# KiCad board SparkFun_RTK_Facet_mosaic_panelized.kicad_pcb (continued)
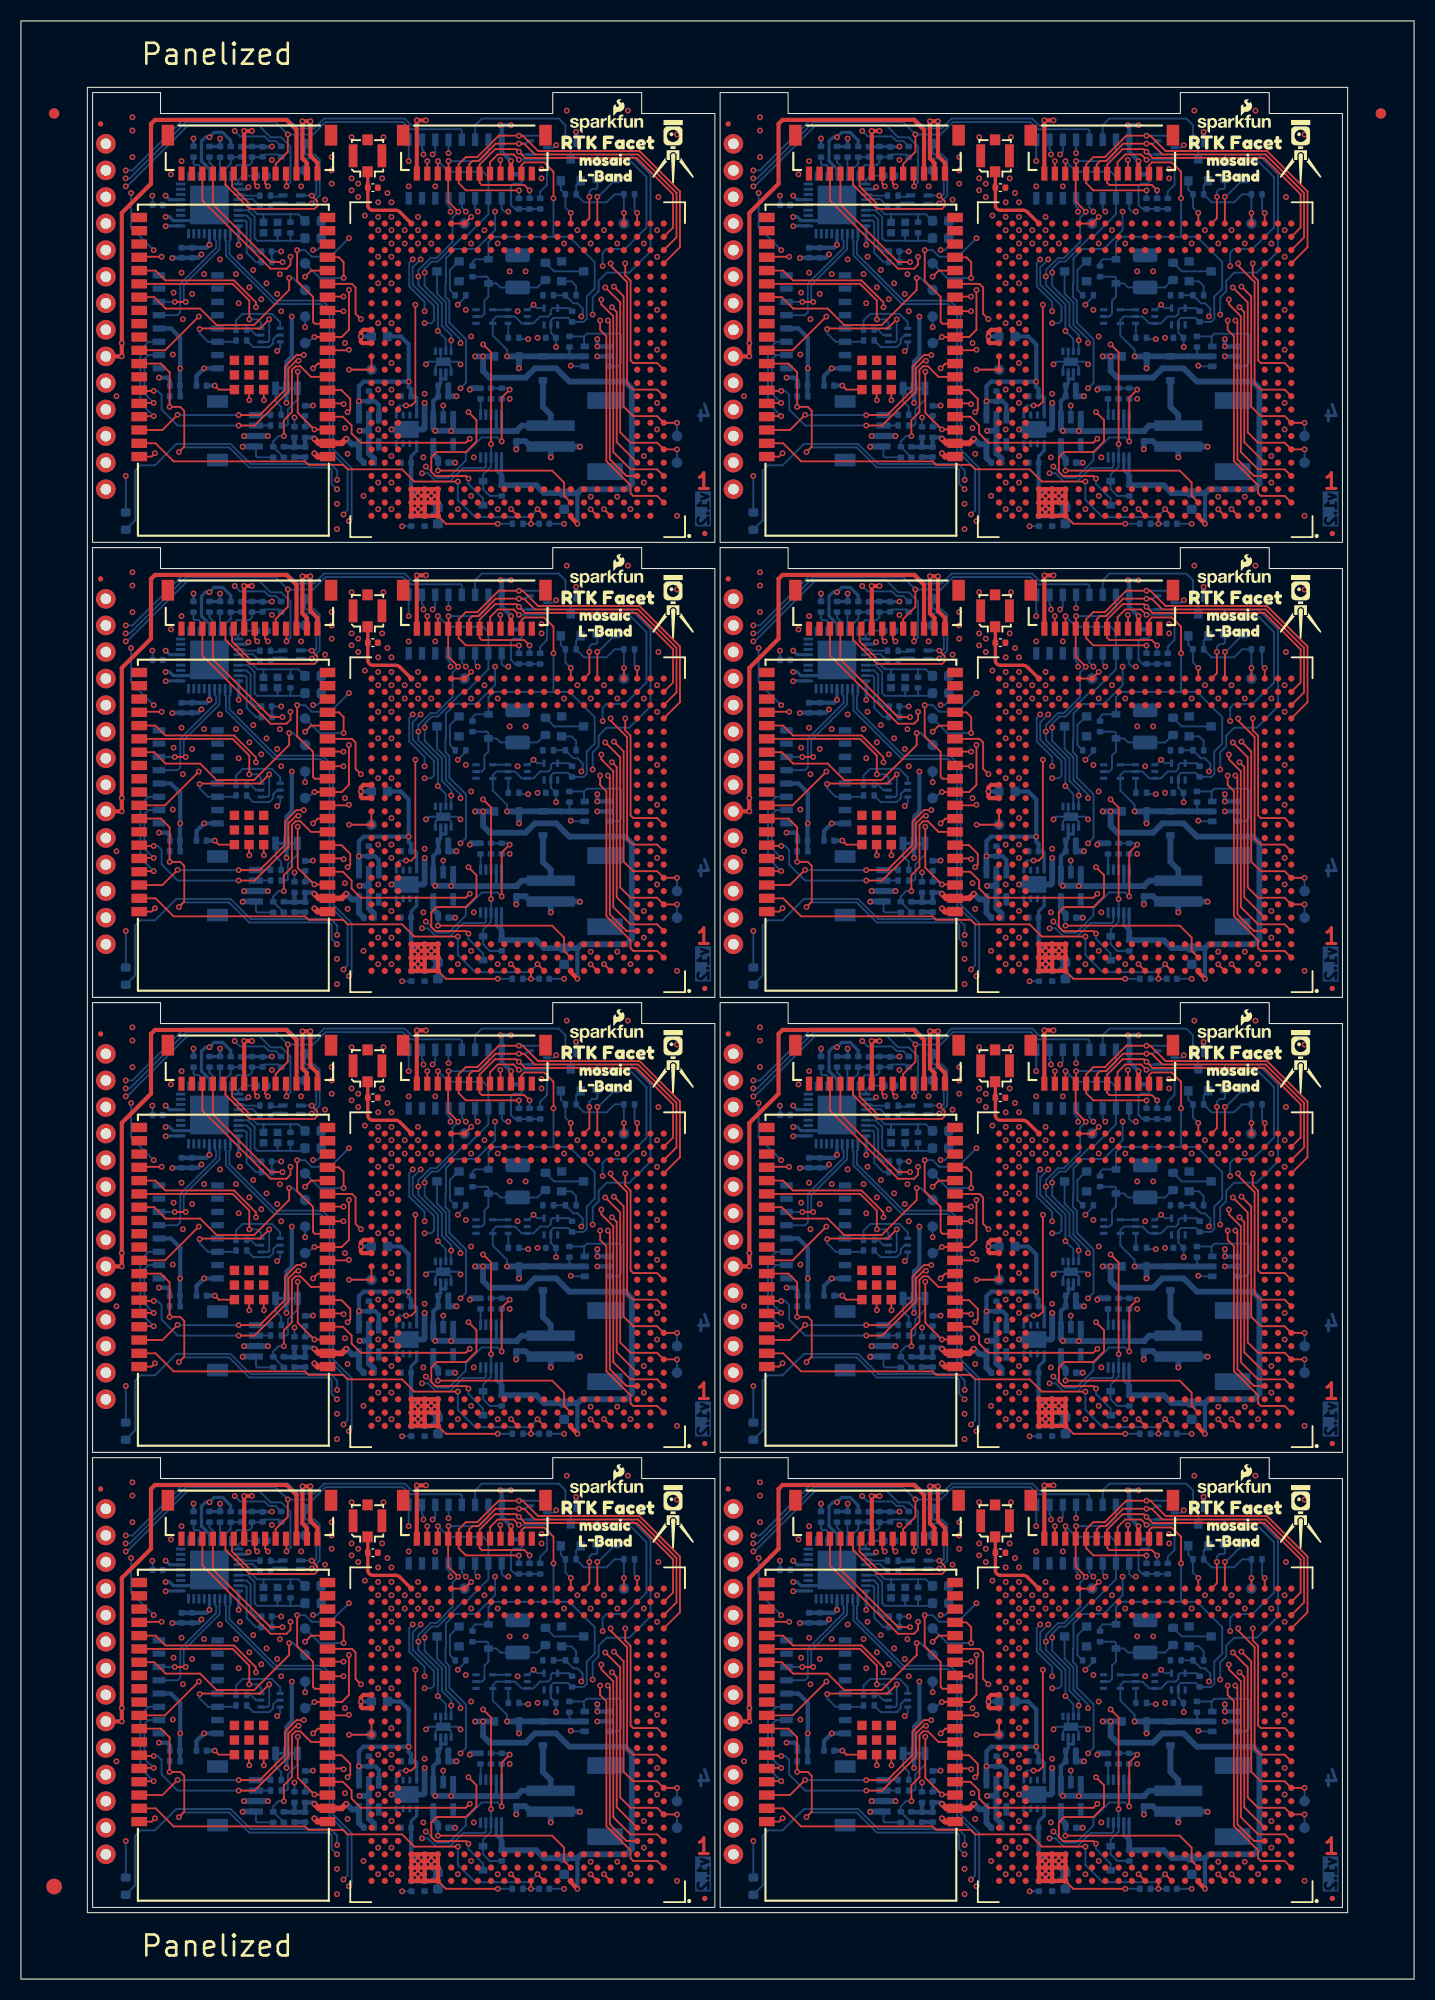
[diagram p0: board, top side]
## Placement (name value [footprint] x y rotation side) (continued)
R9#5  1k  [R_0402_1005Metric]  47.11 156.91 180 bottom
R9#6  1k  [R_0402_1005Metric]  47.11 26.41 180 bottom
R9#7  1k  [R_0402_1005Metric]  107.11 26.41 180 bottom
R9#8  1k  [R_0402_1005Metric]  47.11 69.91 180 bottom
R10  100k  [R_0402_1005Metric]  74.72 151.32 180 bottom
R10#2  100k  [R_0402_1005Metric]  74.72 20.82 180 bottom
R10#3  100k  [R_0402_1005Metric]  14.72 64.32 180 bottom
R10#4  100k  [R_0402_1005Metric]  74.72 64.32 180 bottom
R10#5  100k  [R_0402_1005Metric]  14.72 20.82 180 bottom
R10#6  100k  [R_0402_1005Metric]  14.72 107.82 180 bottom
R10#7  100k  [R_0402_1005Metric]  74.72 107.82 180 bottom
R10#8  100k  [R_0402_1005Metric]  14.72 151.32 180 bottom
R11  10k  [R_0402_1005Metric]  47.49 139.13 0 bottom
R11#2  10k  [R_0402_1005Metric]  107.49 95.63 0 bottom
R11#3  10k  [R_0402_1005Metric]  107.49 52.13 0 bottom
R11#4  10k  [R_0402_1005Metric]  47.49 8.63 0 bottom
R11#5  10k  [R_0402_1005Metric]  47.49 52.13 0 bottom
R11#6  10k  [R_0402_1005Metric]  47.49 95.63 0 bottom
R11#7  10k  [R_0402_1005Metric]  107.49 139.13 0 bottom
R11#8  10k  [R_0402_1005Metric]  107.49 8.63 0 bottom
R12  2.2k  [R_0402_1005Metric]  112.57 127.12 180 bottom
R12#2  2.2k  [R_0402_1005Metric]  52.57 40.12 180 bottom
R12#3  2.2k  [R_0402_1005Metric]  112.57 170.62 180 bottom
R12#4  2.2k  [R_0402_1005Metric]  52.57 170.62 180 bottom
R12#5  2.2k  [R_0402_1005Metric]  112.57 40.12 180 bottom
R12#6  2.2k  [R_0402_1005Metric]  52.57 83.62 180 bottom
R12#7  2.2k  [R_0402_1005Metric]  112.57 83.62 180 bottom
R12#8  2.2k  [R_0402_1005Metric]  52.57 127.12 180 bottom
R13  2.2k  [R_0402_1005Metric]  112.57 131.95 180 bottom
R13#2  2.2k  [R_0402_1005Metric]  52.57 44.95 180 bottom
R13#3  2.2k  [R_0402_1005Metric]  112.57 175.45 180 bottom
R13#4  2.2k  [R_0402_1005Metric]  52.57 175.45 180 bottom
R13#5  2.2k  [R_0402_1005Metric]  52.57 131.95 180 bottom
R13#6  2.2k  [R_0402_1005Metric]  52.57 88.45 180 bottom
R13#7  2.2k  [R_0402_1005Metric]  112.57 88.45 180 bottom
R13#8  2.2k  [R_0402_1005Metric]  112.57 44.95 180 bottom
R14  100k  [R_0402_1005Metric]  16.5 44.19 90 bottom
R14#2  100k  [R_0402_1005Metric]  16.5 174.69 90 bottom
R14#3  100k  [R_0402_1005Metric]  76.5 131.19 90 bottom
R14#4  100k  [R_0402_1005Metric]  16.5 87.69 90 bottom
R14#5  100k  [R_0402_1005Metric]  76.5 174.69 90 bottom
R14#6  100k  [R_0402_1005Metric]  76.5 87.69 90 bottom
R14#7  100k  [R_0402_1005Metric]  16.5 131.19 90 bottom
R14#8  100k  [R_0402_1005Metric]  76.5 44.19 90 bottom
R15  100k  [R_0402_1005Metric]  78.03 174.69 90 bottom
R15#2  100k  [R_0402_1005Metric]  18.03 131.19 90 bottom
R15#3  100k  [R_0402_1005Metric]  18.03 44.19 90 bottom
R15#4  100k  [R_0402_1005Metric]  78.03 131.19 90 bottom
R15#5  100k  [R_0402_1005Metric]  78.03 44.19 90 bottom
R15#6  100k  [R_0402_1005Metric]  18.03 87.69 90 bottom
R15#7  100k  [R_0402_1005Metric]  18.03 174.69 90 bottom
R15#8  100k  [R_0402_1005Metric]  78.03 87.69 90 bottom
R16  169k  [R_0603_1608Metric]  116.89 129.41 270 bottom
R16#2  169k  [R_0603_1608Metric]  116.89 172.91 270 bottom
R16#3  169k  [R_0603_1608Metric]  56.89 85.91 270 bottom
R16#4  169k  [R_0603_1608Metric]  56.89 129.41 270 bottom
R16#5  169k  [R_0603_1608Metric]  56.89 42.41 270 bottom
R16#6  169k  [R_0603_1608Metric]  116.89 85.91 270 bottom
R16#7  169k  [R_0603_1608Metric]  116.89 42.41 270 bottom
R16#8  169k  [R_0603_1608Metric]  56.89 172.91 270 bottom
R17  12k  [R_0402_1005Metric]  23.49 164.15 180 bottom
R17#2  12k  [R_0402_1005Metric]  83.49 77.15 180 bottom
R17#3  12k  [R_0402_1005Metric]  23.49 120.65 180 bottom
R17#4  12k  [R_0402_1005Metric]  23.49 33.65 180 bottom
R17#5  12k  [R_0402_1005Metric]  83.49 33.65 180 bottom
R17#6  12k  [R_0402_1005Metric]  83.49 120.65 180 bottom
R17#7  12k  [R_0402_1005Metric]  83.49 164.15 180 bottom
R17#8  12k  [R_0402_1005Metric]  23.49 77.15 180 bottom
R18  100k  [R_0402_1005Metric]  52.44 113.03 270 bottom
R18#2  100k  [R_0402_1005Metric]  52.44 156.53 270 bottom
R18#3  100k  [R_0402_1005Metric]  52.44 69.53 270 bottom
R18#4  100k  [R_0402_1005Metric]  112.44 26.03 270 bottom
R18#5  100k  [R_0402_1005Metric]  112.44 113.03 270 bottom
R18#6  100k  [R_0402_1005Metric]  112.44 156.53 270 bottom
R18#7  100k  [R_0402_1005Metric]  52.44 26.03 270 bottom
R18#8  100k  [R_0402_1005Metric]  112.44 69.53 270 bottom
R19  100k  [R_0402_1005Metric]  24.88 174.69 270 bottom
R19#2  100k  [R_0402_1005Metric]  84.88 87.69 270 bottom
R19#3  100k  [R_0402_1005Metric]  24.88 44.19 270 bottom
R19#4  100k  [R_0402_1005Metric]  84.88 174.69 270 bottom
R19#5  100k  [R_0402_1005Metric]  24.88 131.19 270 bottom
R19#6  100k  [R_0402_1005Metric]  84.88 131.19 270 bottom
R19#7  100k  [R_0402_1005Metric]  24.88 87.69 270 bottom
R19#8  100k  [R_0402_1005Metric]  84.88 44.19 270 bottom
R20  100k  [R_0402_1005Metric]  82.09 87.69 90 bottom
R20#2  100k  [R_0402_1005Metric]  82.09 131.19 90 bottom
R20#3  100k  [R_0402_1005Metric]  22.09 131.19 90 bottom
R20#4  100k  [R_0402_1005Metric]  82.09 44.19 90 bottom
R20#5  100k  [R_0402_1005Metric]  22.09 174.69 90 bottom
R20#6  100k  [R_0402_1005Metric]  82.09 174.69 90 bottom
R20#7  100k  [R_0402_1005Metric]  22.09 87.69 90 bottom
R20#8  100k  [R_0402_1005Metric]  22.09 44.19 90 bottom
R21  100k  [R_0402_1005Metric]  80.06 131.19 270 bottom
R21#2  100k  [R_0402_1005Metric]  80.06 44.19 270 bottom
R21#3  100k  [R_0402_1005Metric]  80.06 87.69 270 bottom
R21#4  100k  [R_0402_1005Metric]  80.06 174.69 270 bottom
R21#5  100k  [R_0402_1005Metric]  20.06 174.69 270 bottom
R21#6  100k  [R_0402_1005Metric]  20.06 87.69 270 bottom
R21#7  100k  [R_0402_1005Metric]  20.06 44.19 270 bottom
R21#8  100k  [R_0402_1005Metric]  20.06 131.19 270 bottom
R22  1k  [R_0402_1005Metric]  52.7 28.44 270 bottom
R22#2  1k  [R_0402_1005Metric]  52.7 158.94 270 bottom
R22#3  1k  [R_0402_1005Metric]  52.7 115.44 270 bottom
R22#4  1k  [R_0402_1005Metric]  112.7 158.94 270 bottom
R22#5  1k  [R_0402_1005Metric]  112.7 28.44 270 bottom
R22#6  1k  [R_0402_1005Metric]  52.7 71.94 270 bottom
R22#7  1k  [R_0402_1005Metric]  112.7 71.94 270 bottom
R22#8  1k  [R_0402_1005Metric]  112.7 115.44 270 bottom
R23  100k  [R_0402_1005Metric]  23.11 128.9 0 bottom
R23#2  100k  [R_0402_1005Metric]  83.11 128.9 0 bottom
R23#3  100k  [R_0402_1005Metric]  23.11 41.9 0 bottom
R23#4  100k  [R_0402_1005Metric]  23.11 85.4 0 bottom
R23#5  100k  [R_0402_1005Metric]  83.11 41.9 0 bottom
R23#6  100k  [R_0402_1005Metric]  83.11 172.4 0 bottom
R23#7  100k  [R_0402_1005Metric]  83.11 85.4 0 bottom
R23#8  100k  [R_0402_1005Metric]  23.11 172.4 0 bottom
R24  100k  [R_0402_1005Metric]  79.04 174.69 90 bottom
R24#2  100k  [R_0402_1005Metric]  19.04 174.69 90 bottom
R24#3  100k  [R_0402_1005Metric]  79.04 87.69 90 bottom
R24#4  100k  [R_0402_1005Metric]  19.04 131.19 90 bottom
R24#5  100k  [R_0402_1005Metric]  19.04 44.19 90 bottom
R24#6  100k  [R_0402_1005Metric]  79.04 131.19 90 bottom
R24#7  100k  [R_0402_1005Metric]  79.04 44.19 90 bottom
R24#8  100k  [R_0402_1005Metric]  19.04 87.69 90 bottom
R25  1M  [R_0402_1005Metric]  25.77 167.45 270 bottom
R25#2  1M  [R_0402_1005Metric]  25.77 80.45 270 bottom
R25#3  1M  [R_0402_1005Metric]  85.77 80.45 270 bottom
R25#4  1M  [R_0402_1005Metric]  85.77 123.95 270 bottom
R25#5  1M  [R_0402_1005Metric]  85.77 36.95 270 bottom
R25#6  1M  [R_0402_1005Metric]  25.77 36.95 270 bottom
R25#7  1M  [R_0402_1005Metric]  25.77 123.95 270 bottom
R25#8  1M  [R_0402_1005Metric]  85.77 167.45 270 bottom
R26  22  [R_0402_1005Metric]  23.36 170.5 0 bottom
R26#2  22  [R_0402_1005Metric]  83.36 40 0 bottom
R26#3  22  [R_0402_1005Metric]  23.36 40 0 bottom
R26#4  22  [R_0402_1005Metric]  23.36 127 0 bottom
R26#5  22  [R_0402_1005Metric]  83.36 170.5 0 bottom
R26#6  22  [R_0402_1005Metric]  23.36 83.5 0 bottom
R26#7  22  [R_0402_1005Metric]  83.36 83.5 0 bottom
R26#8  22  [R_0402_1005Metric]  83.36 127 0 bottom
R27  22  [R_0402_1005Metric]  23.36 82.48 0 bottom
R27#2  22  [R_0402_1005Metric]  83.36 125.98 0 bottom
R27#3  22  [R_0402_1005Metric]  83.36 38.98 0 bottom
R27#4  22  [R_0402_1005Metric]  23.36 38.98 0 bottom
R27#5  22  [R_0402_1005Metric]  83.36 82.48 0 bottom
R27#6  22  [R_0402_1005Metric]  23.36 169.48 0 bottom
R27#7  22  [R_0402_1005Metric]  83.36 169.48 0 bottom
R27#8  22  [R_0402_1005Metric]  23.36 125.98 0 bottom
R28  10k  [R_0402_1005Metric]  49.65 126.23 90 bottom
R28#2  10k  [R_0402_1005Metric]  109.65 169.74 90 bottom
R28#3  10k  [R_0402_1005Metric]  109.65 82.73 90 bottom
R28#4  10k  [R_0402_1005Metric]  49.65 39.23 90 bottom
R28#5  10k  [R_0402_1005Metric]  109.65 39.23 90 bottom
R28#6  10k  [R_0402_1005Metric]  49.65 169.74 90 bottom
R28#7  10k  [R_0402_1005Metric]  49.65 82.73 90 bottom
R28#8  10k  [R_0402_1005Metric]  109.65 126.23 90 bottom
R29  150k  [R_0402_1005Metric]  45.97 151.57 270 bottom
R29#2  150k  [R_0402_1005Metric]  105.97 151.57 270 bottom
R29#3  150k  [R_0402_1005Metric]  45.97 64.57 270 bottom
R29#4  150k  [R_0402_1005Metric]  105.97 108.07 270 bottom
R29#5  150k  [R_0402_1005Metric]  45.97 21.07 270 bottom
R29#6  150k  [R_0402_1005Metric]  105.97 21.07 270 bottom
R29#7  150k  [R_0402_1005Metric]  105.97 64.57 270 bottom
R29#8  150k  [R_0402_1005Metric]  45.97 108.07 270 bottom
R30  10k  [R_0603_1608Metric]  10.03 8.88 270 bottom
R30#2  10k  [R_0603_1608Metric]  10.03 52.38 270 bottom
R30#3  10k  [R_0603_1608Metric]  10.03 139.38 270 bottom
R30#4  10k  [R_0603_1608Metric]  70.03 52.38 270 bottom
R30#5  10k  [R_0603_1608Metric]  70.03 8.88 270 bottom
R30#6  10k  [R_0603_1608Metric]  10.03 95.88 270 bottom
R30#7  10k  [R_0603_1608Metric]  70.03 95.88 270 bottom
R30#8  10k  [R_0603_1608Metric]  70.03 139.38 270 bottom
R31  0  [R_0402_1005Metric]  44.95 108.07 90 bottom
R31#2  0  [R_0402_1005Metric]  44.95 64.57 90 bottom
R31#3  0  [R_0402_1005Metric]  104.95 108.07 90 bottom
R31#4  0  [R_0402_1005Metric]  44.95 151.57 90 bottom
R31#5  0  [R_0402_1005Metric]  104.95 21.07 90 bottom
R31#6  0  [R_0402_1005Metric]  104.95 64.57 90 bottom
R31#7  0  [R_0402_1005Metric]  104.95 151.57 90 bottom
R31#8  0  [R_0402_1005Metric]  44.95 21.07 90 bottom
R32  1k  [R_0402_1005Metric]  43.93 64.57 90 bottom
R32#2  1k  [R_0402_1005Metric]  43.93 151.57 90 bottom
R32#3  1k  [R_0402_1005Metric]  43.93 108.07 90 bottom
R32#4  1k  [R_0402_1005Metric]  43.93 21.07 90 bottom
R32#5  1k  [R_0402_1005Metric]  103.93 21.07 90 bottom
R32#6  1k  [R_0402_1005Metric]  103.93 64.57 90 bottom
R32#7  1k  [R_0402_1005Metric]  103.93 151.57 90 bottom
R32#8  1k  [R_0402_1005Metric]  103.93 108.07 90 bottom
R33  200k  [R_0402_1005Metric]  43.17 76.26 90 bottom
R33#2  200k  [R_0402_1005Metric]  103.17 32.76 90 bottom
R33#3  200k  [R_0402_1005Metric]  43.17 163.26 90 bottom
R33#4  200k  [R_0402_1005Metric]  43.17 32.76 90 bottom
R33#5  200k  [R_0402_1005Metric]  103.17 163.26 90 bottom
R33#6  200k  [R_0402_1005Metric]  103.17 119.76 90 bottom
R33#7  200k  [R_0402_1005Metric]  43.17 119.76 90 bottom
R33#8  200k  [R_0402_1005Metric]  103.17 76.26 90 bottom
R34  100  [R_0603_1608Metric]  110.16 76.26 90 bottom
R34#2  100  [R_0603_1608Metric]  50.16 163.26 90 bottom
R34#3  100  [R_0603_1608Metric]  110.16 32.76 90 bottom
R34#4  100  [R_0603_1608Metric]  50.16 76.26 90 bottom
R34#5  100  [R_0603_1608Metric]  50.16 119.76 90 bottom
R34#6  100  [R_0603_1608Metric]  110.16 119.76 90 bottom
R34#7  100  [R_0603_1608Metric]  50.16 32.76 90 bottom
R34#8  100  [R_0603_1608Metric]  110.16 163.26 90 bottom
R35  1k  [R_0402_1005Metric]  52.57 117.47 180 bottom
R35#2  1k  [R_0402_1005Metric]  52.57 160.97 180 bottom
R35#3  1k  [R_0402_1005Metric]  112.57 160.97 180 bottom
R35#4  1k  [R_0402_1005Metric]  112.57 117.47 180 bottom
R35#5  1k  [R_0402_1005Metric]  112.57 30.47 180 bottom
R35#6  1k  [R_0402_1005Metric]  112.57 73.97 180 bottom
R35#7  1k  [R_0402_1005Metric]  52.57 30.47 180 bottom
R35#8  1k  [R_0402_1005Metric]  52.57 73.97 180 bottom
R36  1k  [R_0402_1005Metric]  42.03 73.97 180 bottom
R36#2  1k  [R_0402_1005Metric]  42.03 117.47 180 bottom
R36#3  1k  [R_0402_1005Metric]  102.03 73.97 180 bottom
R36#4  1k  [R_0402_1005Metric]  102.03 30.47 180 bottom
R36#5  1k  [R_0402_1005Metric]  102.03 160.97 180 bottom
R36#6  1k  [R_0402_1005Metric]  42.03 160.97 180 bottom
R36#7  1k  [R_0402_1005Metric]  102.03 117.47 180 bottom
R36#8  1k  [R_0402_1005Metric]  42.03 30.47 180 bottom
R37  10k  [R_0402_1005Metric]  48.63 169.74 90 bottom
R37#2  10k  [R_0402_1005Metric]  108.63 82.73 90 bottom
R37#3  10k  [R_0402_1005Metric]  108.63 169.74 90 bottom
R37#4  10k  [R_0402_1005Metric]  48.63 126.23 90 bottom
R37#5  10k  [R_0402_1005Metric]  48.63 39.23 90 bottom
R37#6  10k  [R_0402_1005Metric]  108.63 126.23 90 bottom
R37#7  10k  [R_0402_1005Metric]  48.63 82.73 90 bottom
R37#8  10k  [R_0402_1005Metric]  108.63 39.23 90 bottom
R38  10k  [R_0402_1005Metric]  107.62 169.74 90 bottom
R38#2  10k  [R_0402_1005Metric]  107.62 82.73 90 bottom
R38#3  10k  [R_0402_1005Metric]  47.62 169.74 90 bottom
R38#4  10k  [R_0402_1005Metric]  47.62 82.73 90 bottom
R38#5  10k  [R_0402_1005Metric]  107.62 126.23 90 bottom
R38#6  10k  [R_0402_1005Metric]  107.62 39.23 90 bottom
R38#7  10k  [R_0402_1005Metric]  47.62 39.23 90 bottom
R38#8  10k  [R_0402_1005Metric]  47.62 126.23 90 bottom
R39  10k  [R_0402_1005Metric]  50.41 160.97 180 bottom
R39#2  10k  [R_0402_1005Metric]  110.41 30.47 180 bottom
R39#3  10k  [R_0402_1005Metric]  110.41 160.97 180 bottom
R39#4  10k  [R_0402_1005Metric]  50.41 117.47 180 bottom
R39#5  10k  [R_0402_1005Metric]  50.41 73.97 180 bottom
R39#6  10k  [R_0402_1005Metric]  50.41 30.47 180 bottom
R39#7  10k  [R_0402_1005Metric]  110.41 117.47 180 bottom
R39#8  10k  [R_0402_1005Metric]  110.41 73.97 180 bottom
R41  169k  [R_0603_1608Metric]  55.11 129.41 270 bottom
R41#2  169k  [R_0603_1608Metric]  115.11 129.41 270 bottom
R41#3  169k  [R_0603_1608Metric]  115.11 172.91 270 bottom
R41#4  169k  [R_0603_1608Metric]  55.11 85.91 270 bottom
R41#5  169k  [R_0603_1608Metric]  115.11 42.41 270 bottom
R41#6  169k  [R_0603_1608Metric]  115.11 85.91 270 bottom
R41#7  169k  [R_0603_1608Metric]  55.11 42.41 270 bottom
R41#8  169k  [R_0603_1608Metric]  55.11 172.91 270 bottom
R42  100k  [R_0402_1005Metric]  105.97 55.3 270 bottom
R42#2  100k  [R_0402_1005Metric]  105.97 142.3 270 bottom
R42#3  100k  [R_0402_1005Metric]  45.97 142.3 270 bottom
R42#4  100k  [R_0402_1005Metric]  45.97 11.8 270 bottom
R42#5  100k  [R_0402_1005Metric]  105.97 98.8 270 bottom
R42#6  100k  [R_0402_1005Metric]  105.97 11.8 270 bottom
R42#7  100k  [R_0402_1005Metric]  45.97 98.8 270 bottom
R42#8  100k  [R_0402_1005Metric]  45.97 55.3 270 bottom
R43  100k  [R_0402_1005Metric]  86.15 147.89 90 bottom
R43#2  100k  [R_0402_1005Metric]  86.15 60.89 90 bottom
R43#3  100k  [R_0402_1005Metric]  86.15 104.39 90 bottom
R43#4  100k  [R_0402_1005Metric]  26.15 17.39 90 bottom
R43#5  100k  [R_0402_1005Metric]  26.15 60.89 90 bottom
R43#6  100k  [R_0402_1005Metric]  26.15 147.89 90 bottom
R43#7  100k  [R_0402_1005Metric]  86.15 17.39 90 bottom
R43#8  100k  [R_0402_1005Metric]  26.15 104.39 90 bottom
Ref**  Val**  [SparkFun_RTK_15mm]  62.33 86.95 0 top
Ref**#2  Val**  [SparkFun_RTK_15mm]  62.33 43.45 0 top
Ref**#3  Val**  [SparkFun_RTK_15mm]  122.33 86.95 0 top
Ref**#4  Val**  [SparkFun_RTK_15mm]  62.33 130.45 0 top
Ref**#5  Val**  [SparkFun_RTK_15mm]  122.33 173.95 0 top
Ref**#6  Val**  [SparkFun_RTK_15mm]  122.33 43.45 0 top
Ref**#7  Val**  [SparkFun_RTK_15mm]  62.33 173.95 0 top
Ref**#8  Val**  [SparkFun_RTK_15mm]  122.33 130.45 0 top
Ref**#9  Val**  [OSHW_Logo_5mm]  80.19 10.03 180 bottom
Ref**#10  Val**  [OSHW_Logo_5mm]  80.19 140.53 180 bottom
Ref**#11  Val**  [OSHW_Logo_5mm]  20.19 140.53 180 bottom
Ref**#12  Val**  [OSHW_Logo_5mm]  20.19 10.03 180 bottom
Ref**#13  Val**  [OSHW_Logo_5mm]  80.19 53.53 180 bottom
Ref**#14  Val**  [OSHW_Logo_5mm]  20.19 53.53 180 bottom
Ref**#15  Val**  [OSHW_Logo_5mm]  80.19 97.03 180 bottom
Ref**#16  Val**  [OSHW_Logo_5mm]  20.19 97.03 180 bottom
TP1  PTH  [1x01]  68.12 22.09 0 top
TP1#2  PTH  [1x01]  68.12 152.59 0 top
TP1#3  PTH  [1x01]  8.12 22.09 0 top
TP1#4  PTH  [1x01]  8.12 152.59 0 top
TP1#5  PTH  [1x01]  68.12 65.59 0 top
TP1#6  PTH  [1x01]  8.12 65.59 0 top
TP1#7  PTH  [1x01]  68.12 109.09 0 top
TP1#8  PTH  [1x01]  8.12 109.09 0 top
TP2  1.0mm  [TestPoint-1.0mm]  102.41 124.33 180 bottom
TP2#2  1.0mm  [TestPoint-1.0mm]  102.41 167.83 180 bottom
TP2#3  1.0mm  [TestPoint-1.0mm]  42.41 167.83 180 bottom
TP2#4  1.0mm  [TestPoint-1.0mm]  102.41 37.33 180 bottom
TP2#5  1.0mm  [TestPoint-1.0mm]  42.41 37.33 180 bottom
TP2#6  1.0mm  [TestPoint-1.0mm]  102.41 80.83 180 bottom
TP2#7  1.0mm  [TestPoint-1.0mm]  42.41 124.33 180 bottom
TP2#8  1.0mm  [TestPoint-1.0mm]  42.41 80.83 180 bottom
TP3  1.0mm  [TestPoint-1.0mm]  33.52 110.36 180 bottom
TP3#2  1.0mm  [TestPoint-1.0mm]  93.52 153.86 180 bottom
TP3#3  1.0mm  [TestPoint-1.0mm]  33.52 66.86 180 bottom
TP3#4  1.0mm  [TestPoint-1.0mm]  93.52 23.36 180 bottom
TP3#5  1.0mm  [TestPoint-1.0mm]  93.52 66.86 180 bottom
TP3#6  1.0mm  [TestPoint-1.0mm]  93.52 110.36 180 bottom
TP3#7  1.0mm  [TestPoint-1.0mm]  33.52 23.36 180 bottom
TP3#8  1.0mm  [TestPoint-1.0mm]  33.52 153.86 180 bottom
TP4  PTH  [1x01]  8.12 175.45 0 top
TP4#2  PTH  [1x01]  68.12 175.45 0 top
TP4#3  PTH  [1x01]  68.12 88.45 0 top
TP4#4  PTH  [1x01]  8.12 88.45 0 top
TP4#5  PTH  [1x01]  8.12 131.95 0 top
TP4#6  PTH  [1x01]  8.12 44.95 0 top
TP4#7  PTH  [1x01]  68.12 44.95 0 top
TP4#8  PTH  [1x01]  68.12 131.95 0 top
TP5  PTH  [1x01]  8.12 121.79 180 top
TP5#2  PTH  [1x01]  8.12 78.29 180 top
TP5#3  PTH  [1x01]  8.12 34.79 180 top
TP5#4  PTH  [1x01]  68.12 121.79 180 top
TP5#5  PTH  [1x01]  68.12 34.79 180 top
TP5#6  PTH  [1x01]  8.12 165.29 180 top
TP5#7  PTH  [1x01]  68.12 165.29 180 top
TP5#8  PTH  [1x01]  68.12 78.29 180 top
TP6  PTH  [1x01]  68.12 172.91 0 top
TP6#2  PTH  [1x01]  68.12 42.41 0 top
TP6#3  PTH  [1x01]  68.12 85.91 0 top
TP6#4  PTH  [1x01]  8.12 129.41 0 top
TP6#5  PTH  [1x01]  8.12 42.41 0 top
TP6#6  PTH  [1x01]  8.12 85.91 0 top
TP6#7  PTH  [1x01]  8.12 172.91 0 top
TP6#8  PTH  [1x01]  68.12 129.41 0 top
TP7  PTH  [1x01]  68.12 150.05 0 top
TP7#2  PTH  [1x01]  68.12 19.55 0 top
TP7#3  PTH  [1x01]  8.12 150.05 0 top
TP7#4  PTH  [1x01]  68.12 106.55 0 top
TP7#5  PTH  [1x01]  8.12 63.05 0 top
TP7#6  PTH  [1x01]  8.12 19.55 0 top
TP7#7  PTH  [1x01]  8.12 106.55 0 top
TP7#8  PTH  [1x01]  68.12 63.05 0 top
TP8  PTH  [1x01]  68.12 24.63 0 top
TP8#2  PTH  [1x01]  68.12 68.13 0 top
TP8#3  PTH  [1x01]  8.12 155.13 0 top
TP8#4  PTH  [1x01]  68.12 155.13 0 top
TP8#5  PTH  [1x01]  8.12 68.13 0 top
TP8#6  PTH  [1x01]  68.12 111.63 0 top
TP8#7  PTH  [1x01]  8.12 24.63 0 top
TP8#8  PTH  [1x01]  8.12 111.63 0 top
TP9  PTH  [1x01]  68.12 60.51 0 top
TP9#2  PTH  [1x01]  68.12 17.01 0 top
TP9#3  PTH  [1x01]  8.12 17.01 0 top
TP9#4  PTH  [1x01]  68.12 147.51 0 top
TP9#5  PTH  [1x01]  8.12 60.51 0 top
TP9#6  PTH  [1x01]  68.12 104.01 0 top
TP9#7  PTH  [1x01]  8.12 104.01 0 top
TP9#8  PTH  [1x01]  8.12 147.51 0 top
TP10  PTH  [1x01]  68.12 57.97 0 top
TP10#2  PTH  [1x01]  8.12 101.47 0 top
TP10#3  PTH  [1x01]  68.12 144.97 0 top
TP10#4  PTH  [1x01]  8.12 57.97 0 top
TP10#5  PTH  [1x01]  8.12 14.47 0 top
TP10#6  PTH  [1x01]  68.12 14.47 0 top
TP10#7  PTH  [1x01]  8.12 144.97 0 top
TP10#8  PTH  [1x01]  68.12 101.47 0 top
TP11  PTH  [1x01]  8.12 29.71 0 top
TP11#2  PTH  [1x01]  68.12 29.71 0 top
TP11#3  PTH  [1x01]  68.12 116.71 0 top
TP11#4  PTH  [1x01]  8.12 73.21 0 top
TP11#5  PTH  [1x01]  68.12 73.21 0 top
TP11#6  PTH  [1x01]  8.12 116.71 0 top
TP11#7  PTH  [1x01]  68.12 160.21 0 top
TP11#8  PTH  [1x01]  8.12 160.21 0 top
TP12  PTH  [1x01]  8.12 114.17 0 top
TP12#2  PTH  [1x01]  8.12 70.67 0 top
TP12#3  PTH  [1x01]  68.12 157.67 0 top
TP12#4  PTH  [1x01]  8.12 27.17 0 top
TP12#5  PTH  [1x01]  8.12 157.67 0 top
TP12#6  PTH  [1x01]  68.12 27.17 0 top
TP12#7  PTH  [1x01]  68.12 114.17 0 top
TP12#8  PTH  [1x01]  68.12 70.67 0 top
TP13  PTH  [1x01]  68.12 162.75 0 top
TP13#2  PTH  [1x01]  68.12 119.25 0 top
TP13#3  PTH  [1x01]  8.12 119.25 0 top
TP13#4  PTH  [1x01]  68.12 32.25 0 top
TP13#5  PTH  [1x01]  8.12 32.25 0 top
TP13#6  PTH  [1x01]  8.12 162.75 0 top
TP13#7  PTH  [1x01]  8.12 75.75 0 top
TP13#8  PTH  [1x01]  68.12 75.75 0 top
TP14  1.0mm  [TestPoint-1.0mm]  57.65 124.33 180 bottom
TP14#2  1.0mm  [TestPoint-1.0mm]  57.65 37.33 180 bottom
TP14#3  1.0mm  [TestPoint-1.0mm]  117.65 167.83 180 bottom
TP14#4  1.0mm  [TestPoint-1.0mm]  57.65 167.83 180 bottom
TP14#5  1.0mm  [TestPoint-1.0mm]  57.65 80.83 180 bottom
TP14#6  1.0mm  [TestPoint-1.0mm]  117.65 80.83 180 bottom
TP14#7  1.0mm  [TestPoint-1.0mm]  117.65 37.33 180 bottom
TP14#8  1.0mm  [TestPoint-1.0mm]  117.65 124.33 180 bottom
TP15  1.0mm  [TestPoint-1.0mm]  27.17 120.52 180 bottom
TP15#2  1.0mm  [TestPoint-1.0mm]  27.17 77.02 180 bottom
TP15#3  1.0mm  [TestPoint-1.0mm]  27.17 33.52 180 bottom
TP15#4  1.0mm  [TestPoint-1.0mm]  87.17 164.02 180 bottom
TP15#5  1.0mm  [TestPoint-1.0mm]  27.17 164.02 180 bottom
TP15#6  1.0mm  [TestPoint-1.0mm]  87.17 120.52 180 bottom
TP15#7  1.0mm  [TestPoint-1.0mm]  87.17 77.02 180 bottom
TP15#8  1.0mm  [TestPoint-1.0mm]  87.17 33.52 180 bottom
TP16  1.0mm  [TestPoint-1.0mm]  27.17 158.94 180 bottom
TP16#2  1.0mm  [TestPoint-1.0mm]  87.17 158.94 180 bottom
TP16#3  1.0mm  [TestPoint-1.0mm]  87.17 115.44 180 bottom
TP16#4  1.0mm  [TestPoint-1.0mm]  87.17 71.94 180 bottom
TP16#5  1.0mm  [TestPoint-1.0mm]  27.17 71.94 180 bottom
TP16#6  1.0mm  [TestPoint-1.0mm]  87.17 28.44 180 bottom
TP16#7  1.0mm  [TestPoint-1.0mm]  27.17 28.44 180 bottom
TP16#8  1.0mm  [TestPoint-1.0mm]  27.17 115.44 180 bottom
TP17  1.0mm  [TestPoint-1.0mm]  87.17 112.9 180 bottom
TP17#2  1.0mm  [TestPoint-1.0mm]  27.17 25.9 180 bottom
TP17#3  1.0mm  [TestPoint-1.0mm]  27.17 69.4 180 bottom
TP17#4  1.0mm  [TestPoint-1.0mm]  87.17 69.4 180 bottom
TP17#5  1.0mm  [TestPoint-1.0mm]  27.17 112.9 180 bottom
TP17#6  1.0mm  [TestPoint-1.0mm]  87.17 25.9 180 bottom
TP17#7  1.0mm  [TestPoint-1.0mm]  87.17 156.4 180 bottom
TP17#8  1.0mm  [TestPoint-1.0mm]  27.17 156.4 180 bottom
TP18  1.0mm  [TestPoint-1.0mm]  27.17 74.48 180 bottom
TP18#2  1.0mm  [TestPoint-1.0mm]  87.17 74.48 180 bottom
TP18#3  1.0mm  [TestPoint-1.0mm]  27.17 161.48 180 bottom
TP18#4  1.0mm  [TestPoint-1.0mm]  27.17 30.98 180 bottom
TP18#5  1.0mm  [TestPoint-1.0mm]  87.17 161.48 180 bottom
TP18#6  1.0mm  [TestPoint-1.0mm]  87.17 117.98 180 bottom
TP18#7  1.0mm  [TestPoint-1.0mm]  87.17 30.98 180 bottom
TP18#8  1.0mm  [TestPoint-1.0mm]  27.17 117.98 180 bottom
TP19  1.0mm  [TestPoint-1.0mm]  87.17 129.41 180 bottom
TP19#2  1.0mm  [TestPoint-1.0mm]  27.17 172.91 180 bottom
TP19#3  1.0mm  [TestPoint-1.0mm]  87.17 85.91 180 bottom
TP19#4  1.0mm  [TestPoint-1.0mm]  87.17 42.41 180 bottom
TP19#5  1.0mm  [TestPoint-1.0mm]  27.17 129.41 180 bottom
TP19#6  1.0mm  [TestPoint-1.0mm]  27.17 85.91 180 bottom
TP19#7  1.0mm  [TestPoint-1.0mm]  87.17 172.91 180 bottom
TP19#8  1.0mm  [TestPoint-1.0mm]  27.17 42.41 180 bottom
TP20  1.0mm  [TestPoint-1.0mm]  87.17 131.95 180 bottom
TP20#2  1.0mm  [TestPoint-1.0mm]  87.17 88.45 180 bottom
TP20#3  1.0mm  [TestPoint-1.0mm]  27.17 175.45 180 bottom
TP20#4  1.0mm  [TestPoint-1.0mm]  27.17 88.45 180 bottom
TP20#5  1.0mm  [TestPoint-1.0mm]  27.17 44.95 180 bottom
TP20#6  1.0mm  [TestPoint-1.0mm]  27.17 131.95 180 bottom
TP20#7  1.0mm  [TestPoint-1.0mm]  87.17 175.45 180 bottom
TP20#8  1.0mm  [TestPoint-1.0mm]  87.17 44.95 180 bottom
TP21  PTH  [1x01]  8.12 83.37 0 top
TP21#2  PTH  [1x01]  68.12 39.87 0 top
TP21#3  PTH  [1x01]  68.12 126.87 0 top
TP21#4  PTH  [1x01]  8.12 39.87 0 top
TP21#5  PTH  [1x01]  8.12 126.87 0 top
TP21#6  PTH  [1x01]  8.12 170.37 0 top
TP21#7  PTH  [1x01]  68.12 170.37 0 top
TP21#8  PTH  [1x01]  68.12 83.37 0 top
TP22  PTH  [1x01]  8.12 124.33 0 top
TP22#2  PTH  [1x01]  8.12 167.83 0 top
TP22#3  PTH  [1x01]  8.12 80.83 0 top
TP22#4  PTH  [1x01]  8.12 37.33 0 top
TP22#5  PTH  [1x01]  68.12 80.83 0 top
TP22#6  PTH  [1x01]  68.12 124.33 0 top
TP22#7  PTH  [1x01]  68.12 167.83 0 top
TP22#8  PTH  [1x01]  68.12 37.33 0 top
TP23  PTH  [1x01]  68.12 11.93 0 top
TP23#2  PTH  [1x01]  68.12 98.93 0 top
TP23#3  PTH  [1x01]  68.12 55.43 0 top
TP23#4  PTH  [1x01]  68.12 142.43 0 top
TP23#5  PTH  [1x01]  8.12 11.93 0 top
TP23#6  PTH  [1x01]  8.12 142.43 0 top
TP23#7  PTH  [1x01]  8.12 55.43 0 top
TP23#8  PTH  [1x01]  8.12 98.93 0 top
TP24  1.0mm  [TestPoint-1.0mm]  122.73 144.97 180 bottom
TP24#2  1.0mm  [TestPoint-1.0mm]  62.73 57.97 180 bottom
TP24#3  1.0mm  [TestPoint-1.0mm]  122.73 14.47 180 bottom
TP24#4  1.0mm  [TestPoint-1.0mm]  62.73 14.47 180 bottom
TP24#5  1.0mm  [TestPoint-1.0mm]  122.73 101.47 180 bottom
TP24#6  1.0mm  [TestPoint-1.0mm]  62.73 101.47 180 bottom
TP24#7  1.0mm  [TestPoint-1.0mm]  122.73 57.97 180 bottom
TP24#8  1.0mm  [TestPoint-1.0mm]  62.73 144.97 180 bottom
TP25  1.0mm  [TestPoint-1.0mm]  122.73 60.51 180 bottom
TP25#2  1.0mm  [TestPoint-1.0mm]  122.73 104.01 180 bottom